# Altium PCB OCP-TimeCardMini-TI_V1.PcbDoc (part 5 of 11)
Units mil, origin at the board's own origin, x right, y up, seen from the top; angles counter-clockwise.
Board outline 5300.46 x 4396.02 mil, 10 copper layers (L01-TOP, L02-GND, L03-SIG, L04-GND, L05-PWR, L06-PWR, L07-GND, L08-SIG, L09-GND, L10-BOT), stack 77.164 mil thick; 832 components, 574 nets, 2904 pads, 1473 vias.
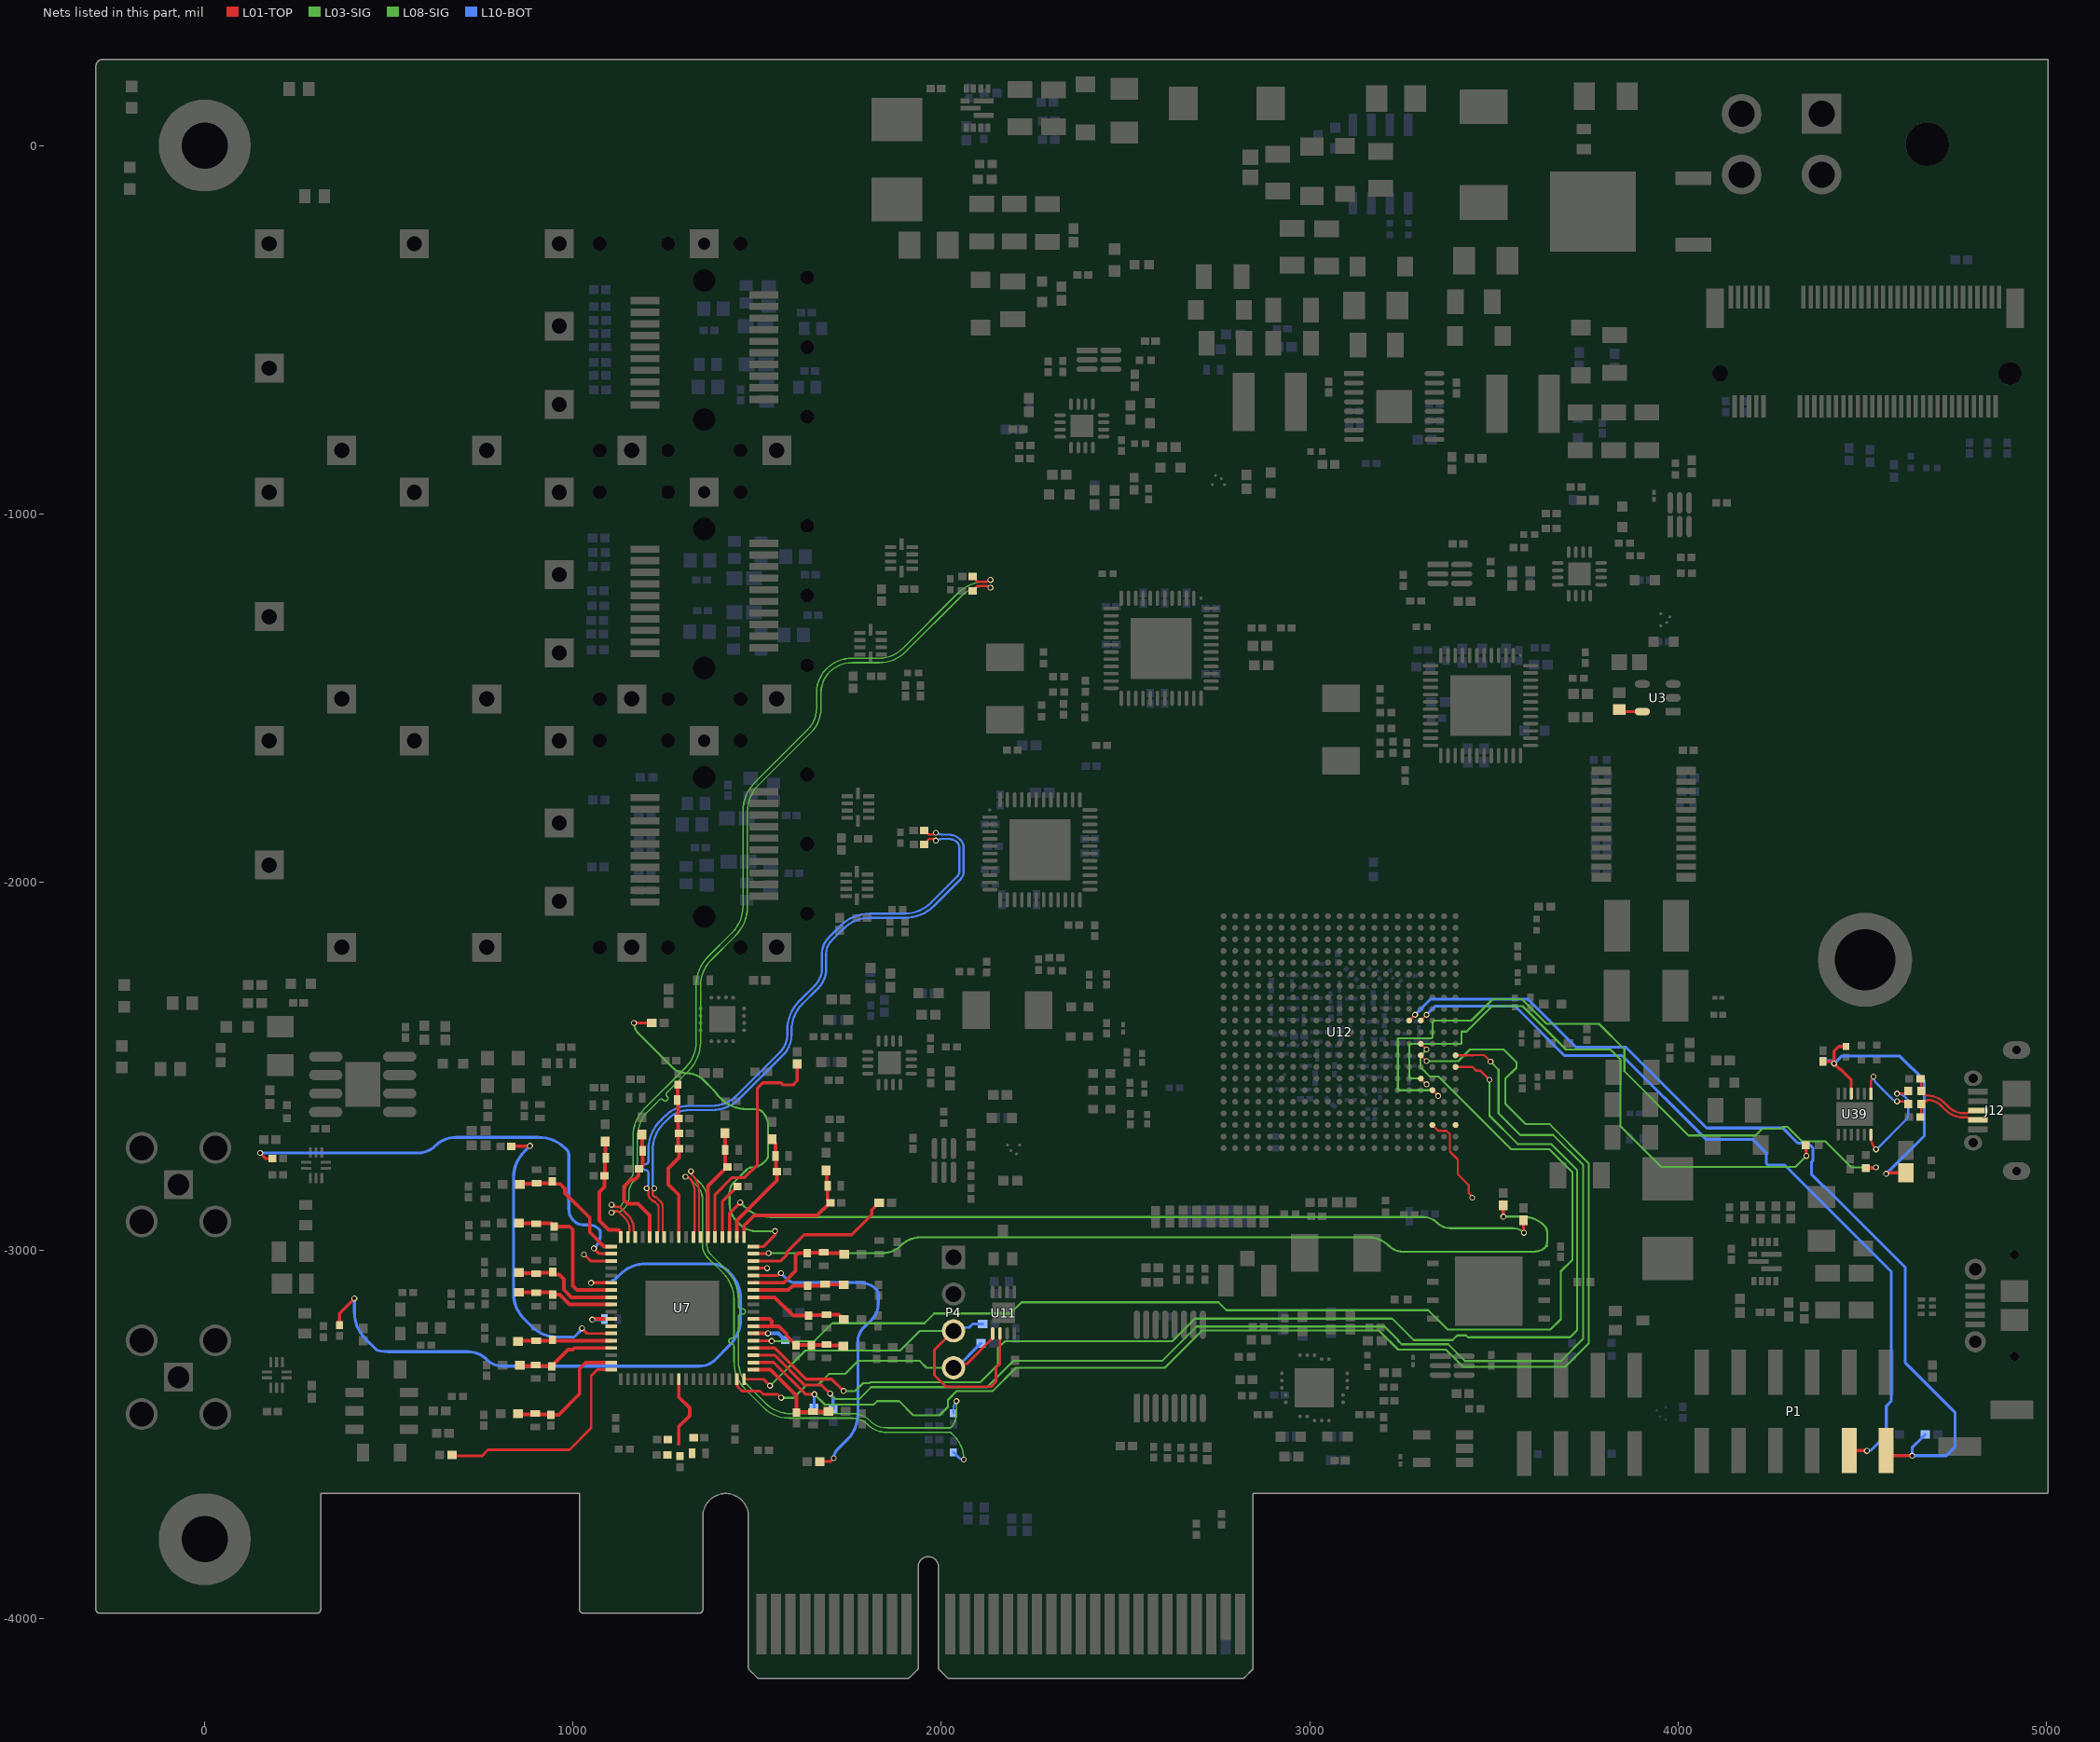
[diagram p13: the nets of this part, all layers, seen from the top]

## Via types
v1: diameter 16, hole 10, L01-TOP to L10-BOT, 1131 vias
v2: diameter 16, hole 10, L01-TOP to L10-BOT, tented both sides, 213 vias
v3: diameter 16, hole 10, L01-TOP to L10-BOT, tented top, 116 vias
v4: diameter 23.62, hole 11.81, L01-TOP to L10-BOT, 9 vias
v5: diameter 25.98, hole 12.99, L01-TOP to L10-BOT, tented top, 4 vias

## Nets (pads, with @x,y where several pads share a name; then routed paths per layer and width w, separated by ;. In a path a pad name is that pad's centre, name@x,y a point inside that pad or via, vN(x,y) a via of type N, cw(c..) or ccw(c..) an arc to the next point about the centre after c; other vN are vias at no path point) (continued)
DPLL_CLKOUT0_P: R112.2 U7.60 | length 1905.4
  L01-TOP w8: R112.2@365.96,-3202.69 365.96,-3170.92 v1(406.32,-3130.57) ; v1(1049.13,-3088.05) 1049.31,-3087.86 1103.7,-3087.86 U7.60@1103.88,-3087.68
  L10-BOT w8: v1(406.32,-3130.57) 406.32,-3168.37 ccw(c506.32,-3168.37) 435.61,-3239.08 466.54,-3270.01 ccw(c497.42,-3174.9) 497.42,-3274.9 714.63,-3274.9 cw(c714.63,-3346.82) 765.49,-3295.97 ccw(c809.62,-3251.83) 809.62,-3314.25 1342.84,-3314.25 ccw(c1342.84,-3252.43) 1386.56,-3296.14 1425.44,-3257.26 ccw(c1354.72,-3186.55) 1454.72,-3186.55 1454.72,-3131.47 ccw(c1354.72,-3131.47) 1425.44,-3060.76 1419.92,-3055.25 ccw(c1374.22,-3100.96) 1374.22,-3036.32 1197.88,-3036.32 ccw(c1197.88,-3136.32) 1127.17,-3065.61 1119.79,-3072.99 cw(c1083.43,-3036.63) 1083.43,-3088.05 v1(1049.13,-3088.05)
DPLL_CLKOUT1_N: U7.57 | length 81.6
  L01-TOP w8: v1(1029.63,-3010.99) 1047.24,-3028.61 U7.57@1103.88,-3028.61
DPLL_CLKOUT1_P: R110.2 U7.56 | length 1278.3
  L01-TOP w8: v1(150.48,-2735.43) 165.78,-2750.73 R110.2@183.78,-2750.73 ; v1(1056.42,-2994.3) 1071.03,-3008.92 U7.56@1103.88,-3008.92
  L10-BOT w8: v1(150.48,-2735.43) 579.29,-2735.43 ccw(c579.29,-2669.39) 625.98,-2716.08 cw(c682.3,-2772.4) 682.3,-2692.76 907.24,-2692.76 cw(c907.24,-2792.76) 977.95,-2722.04 984.25,-2728.35 cw(c974.28,-2738.32) 988.38,-2738.32 988.38,-2887.06 ccw(c1034.77,-2887.06) 1001.97,-2919.86 ccw(c1028.7,-2893.13) 1028.7,-2930.94 1045.41,-2930.94 cw(c1045.41,-2962.16) 1067.49,-2940.08 1073.51,-2946.1 1073.51,-2963.39 cw(c1058.2,-2963.39) 1069.02,-2974.22 cw(c1050.97,-2974.22) 1063.74,-2986.98 v1(1056.42,-2994.3)
DPLL_CLKOUT2_N: C234.1 U7.52 | length 2389.2
  L01-TOP w6: v1(1104.65,-2876.28) cw(c1104.65,-2882.82) 1109.27,-2878.19 1109.74,-2878.66 ccw(c1115.48,-2872.92) 1115.48,-2881.04 1119.24,-2881.04 cw(c1119.24,-2898.24) 1131.4,-2886.08 1148.57,-2903.25 cw(c1109.41,-2942.41) 1164.79,-2942.41 1164.79,-2945.59 ccw(c1171.79,-2945.59) 1166.84,-2950.54 cw(c1161.89,-2955.49) 1168.89,-2955.49 U7.52@1168.89,-2963.59 ; C234.1@2085.3,-1170.64 cw(c2085.3,-1173.91) 2087.62,-1171.6 2092.67,-1176.64 cw(c2090.07,-1179.24) 2093.74,-1179.24 ccw(c2097.42,-1179.24) 2094.82,-1181.84 ccw(c2100.71,-1175.95) 2100.71,-1184.28 2109.02,-1184.28 2109.11,-1184.19 2122.44,-1184.19 ccw(c2122.44,-1176.08) 2128.18,-1181.82 2128.65,-1181.34 cw(c2133.27,-1185.97) v1(2133.27,-1179.44)
  L08-SIG w4: v1(1104.65,-2876.28) cw(c1104.65,-2884.12) 1110.2,-2878.58 1111.68,-2880.06 ccw(c1115.79,-2875.95) 1115.79,-2881.77 1125.49,-2881.77 ccw(c1125.49,-2878.22) 1128,-2880.73 ccw(c1100.02,-2852.75) 1139.59,-2852.75 1139.59,-2844.46 cw(c1199.33,-2844.46) 1157.09,-2802.21 1159.45,-2799.85 ccw(c1151.69,-2792.1) 1162.66,-2792.1 1162.66,-2692.62 cw(c1274.59,-2692.62) 1195.45,-2613.48 1304.77,-2504.16 ccw(c1234.06,-2433.44) 1334.06,-2433.44 1334.06,-2281.33 cw(c1445.98,-2281.33) 1366.84,-2202.18 1432.09,-2136.93 ccw(c1361.38,-2066.22) 1461.38,-2066.22 1461.38,-1807.78 cw(c1573.3,-1807.78) 1494.16,-1728.63 1637.1,-1585.69 ccw(c1578.98,-1527.56) 1661.18,-1527.56 1661.18,-1485.01 cw(c1751.55,-1485.01) 1687.65,-1421.11 1687.74,-1421.01 cw(c1757.43,-1490.69) 1757.43,-1392.15 1831.92,-1392.15 ccw(c1831.92,-1304.76) 1893.71,-1366.55 2043.82,-1216.44 cw(c2122.35,-1294.97) 2122.35,-1183.91 ccw(c2122.38,-1176.27) 2127.78,-1181.68 cw(c2133.18,-1187.08) 2133.18,-1179.44 v1(2133.27,-1179.44)
DPLL_CLKOUT2_P: C235.1 U7.53 | length 2389.3
  L01-TOP w6: v1(1104.65,-2897.28) ccw(c1104.65,-2890.75) 1109.27,-2895.38 1109.74,-2894.91 cw(c1115.48,-2900.65) 1115.48,-2892.53 1116.86,-2892.53 cw(c1116.86,-2903.98) 1124.96,-2895.88 1140.34,-2911.27 cw(c1109.05,-2942.56) 1153.3,-2942.56 1153.3,-2945.59 cw(c1146.3,-2945.59) 1151.25,-2950.54 ccw(c1156.2,-2955.49) 1149.2,-2955.49 U7.53@1149.2,-2963.59 ; C235.1@2084.9,-1209.24 ccw(c2084.9,-1205.96) 2087.22,-1208.28 2092.32,-1203.17 ccw(c2089.87,-1200.72) 2093.34,-1200.72 cw(c2096.81,-1200.72) 2094.36,-1198.26 cw(c2100.39,-1204.3) 2100.39,-1195.77 2113.78,-1195.77 2113.86,-1195.68 2122.44,-1195.68 cw(c2122.44,-1203.8) 2128.18,-1198.06 2128.65,-1198.53 ccw(c2133.27,-1193.91) v1(2133.27,-1200.44)
  L08-SIG w4: v1(1104.65,-2897.28) cw(c1110.2,-2902.83) 1110.2,-2894.99 1112.95,-2894.99 ccw(c1112.95,-2890.97) 1115.79,-2893.81 1125.56,-2893.81 ccw(c1125.56,-2878.37) 1136.48,-2889.29 1136.54,-2889.23 ccw(c1100.09,-2852.77) 1151.64,-2852.77 1151.64,-2844.48 cw(c1199.4,-2844.48) 1165.63,-2810.71 1168.01,-2808.33 ccw(c1151.82,-2792.15) 1174.71,-2792.15 1174.71,-2692.67 cw(c1274.71,-2692.67) 1204,-2621.96 1223.52,-2602.44 1234.84,-2591.12 cw(c1239.79,-2596.07) 1244.74,-2591.12 1245.75,-2592.13 ccw(c1250.7,-2587.18) 1255.65,-2592.13 ccw(c1250.7,-2587.18) 1255.65,-2582.23 1254.64,-2581.22 cw(c1259.59,-2576.27) 1254.64,-2571.32 1280.01,-2545.95 1313.32,-2512.64 ccw(c1234.18,-2433.49) 1346.1,-2433.49 1346.1,-2281.37 cw(c1446.1,-2281.37) 1375.39,-2210.66 1440.64,-2145.42 ccw(c1361.5,-2066.27) 1473.42,-2066.27 1473.42,-1807.82 cw(c1573.42,-1807.82) 1502.71,-1737.11 1645.7,-1594.13 ccw(c1579.24,-1527.67) 1673.23,-1527.67 1673.23,-1485.11 cw(c1751.81,-1485.11) 1696.24,-1429.55 cw(c1757.45,-1490.76) 1757.45,-1404.2 1831.97,-1404.2 ccw(c1831.97,-1304.88) 1902.2,-1375.11 2052.32,-1224.98 cw(c2122.38,-1295.04) 2122.38,-1195.96 cw(c2122.38,-1203.6) 2127.78,-1198.2 ccw(c2133.18,-1192.8) 2133.18,-1200.44 v1(2133.27,-1200.44)
DPLL_CLKOUT3_N: C237.1 U7.48 | length 1709
  L01-TOP w6: v1(1220.77,-2831.68) cw(c1214.24,-2831.68) 1218.87,-2836.29 1218.4,-2836.76 ccw(c1224.14,-2842.5) 1216.02,-2842.5 1216.02,-2844.35 ccw(c1228.58,-2844.35) 1219.7,-2853.23 1220.24,-2853.78 ccw(c1223.32,-2850.7) 1223.32,-2855.05 cw(c1223.32,-2859.4) 1226.39,-2856.32 1236.91,-2866.84 cw(c1220.86,-2882.89) 1243.55,-2882.89 1243.55,-2948.49 1247.65,-2952.59 U7.48@1247.65,-2963.59 ; C237.1@1953.63,-1859.1 cw(c1953.63,-1862.37) 1955.95,-1860.06 1961.68,-1865.79 cw(c1960.72,-1866.74) 1962.07,-1866.74 ccw(c1963.41,-1866.74) 1962.46,-1867.69 C237.1@1963.83,-1869.05 ; C237.1@1963.84,-1869.06 ccw(c1968.07,-1864.81) 1968.07,-1870.81 1973.63,-1870.81 ccw(c1973.63,-1861.11) 1980.49,-1867.97 cw(c1985.11,-1872.59) v1(1985.11,-1866.05)
  L10-BOT w6: v1(1220.77,-2831.68) ccw(c1214.24,-2831.68) 1218.86,-2827.06 cw(c1225.72,-2820.2) 1216.02,-2820.2 1216.02,-2758.95 1216.02,-2726.39 cw(c1316.02,-2726.39) 1217.15,-2711.39 cw(c1316.02,-2726.39) 1245.31,-2655.68 1257.87,-2643.11 cw(c1316.32,-2701.56) 1316.32,-2618.9 1376.67,-2618.9 ccw(c1376.67,-2512.03) 1452.24,-2587.6 1570,-2469.84 ccw(c1513.82,-2413.66) 1593.27,-2413.66 1593.27,-2401.55 cw(c1693.27,-2401.55) 1622.56,-2330.84 1665.06,-2288.34 ccw(c1611.32,-2234.6) 1687.32,-2234.6 1687.32,-2193.95 cw(c1736.57,-2193.95) 1701.74,-2159.13 1734.62,-2126.26 cw(c1805.33,-2196.97) 1805.33,-2096.97 1901,-2096.97 ccw(c1901,-1985.59) 1979.71,-2064.39 ccw(c1901,-1985.59) 1979.76,-2064.34 2051.68,-1992.42 ccw(c2030.88,-1971.61) 2060.3,-1971.61 2060.3,-1905.51 ccw(c2030.9,-1905.51) 2051.69,-1884.72 2051.55,-1884.58 ccw(c2018.71,-1917.43) 2018.71,-1870.98 1997.49,-1870.98 1997.11,-1870.6 ccw(c1990.75,-1876.97) 1990.75,-1867.97 1989.73,-1867.97 cw(c1989.73,-1861.43) v1(1985.11,-1866.05)
DPLL_CLKOUT3_P: C238.1 U7.49 | length 1711.2
  L01-TOP w6: v1(1199.77,-2831.68) ccw(c1206.31,-2831.68) v1@1201.68,-2836.29 ; v1@1201.69,-2836.3 1202.15,-2836.76 cw(c1196.41,-2842.5) 1204.53,-2842.5 1204.53,-2846.73 ccw(c1222.84,-2846.73) 1209.89,-2859.67 1214.21,-2863.99 ccw(c1220.36,-2857.85) 1220.36,-2866.54 1228.74,-2874.93 cw(c1220.73,-2882.94) 1232.06,-2882.94 1232.06,-2948.49 1227.96,-2952.59 U7.49@1227.96,-2963.59 ; C238.1@1953.87,-1897.35 ccw(c1953.87,-1894.08) 1956.19,-1896.39 1961.23,-1891.35 ccw(c1958.63,-1888.75) 1962.31,-1888.75 cw(c1965.99,-1888.75) 1963.39,-1886.15 1964.77,-1884.76 cw(c1970.72,-1890.7) 1970.72,-1882.3 1973.63,-1882.3 cw(c1973.63,-1892) 1980.49,-1885.14 ccw(c1985.11,-1880.52) v1(1985.11,-1887.05)
  L10-BOT w6: v1(1199.77,-2831.68) cw(c1206.31,-2831.68) 1201.69,-2827.06 ccw(c1194.83,-2820.2) 1204.53,-2820.2 1204.53,-2792.76 1204.53,-2789.76 ccw(c1196.53,-2789.76) 1196.53,-2781.76 cw(c1196.53,-2773.76) 1196.53,-2765.76 ccw(c1196.53,-2757.76) 1204.53,-2757.76 1204.53,-2726.34 cw(c1315.91,-2726.34) 1237.15,-2647.59 1249.87,-2634.87 cw(c1316.16,-2701.16) 1316.16,-2607.41 1376.62,-2607.41 ccw(c1376.62,-2511.92) 1444.15,-2579.44 1561.8,-2461.78 ccw(c1513.57,-2413.55) 1581.78,-2413.55 1581.78,-2401.51 cw(c1693.16,-2401.51) 1614.4,-2322.75 1656.84,-2280.32 ccw(c1610.99,-2234.47) 1675.83,-2234.47 1675.83,-2193.91 cw(c1736.46,-2193.91) 1693.59,-2151.04 1726.53,-2118.1 cw(c1805.28,-2196.85) 1805.28,-2085.48 1900.96,-2085.48 ccw(c1900.96,-1985.48) 1971.67,-2056.19 2043.53,-1984.33 ccw(c2030.77,-1971.57) 2048.81,-1971.57 2048.81,-1905.56 ccw(c2030.77,-1905.56) 2043.53,-1892.81 ccw(c2018.57,-1917.77) 2018.57,-1882.47 1997.49,-1882.47 cw(c1991.04,-1876.01) 1991.04,-1885.14 1989.73,-1885.14 ccw(c1989.73,-1891.67) v1(1985.11,-1887.05)
DPLL_CLKOUT4_N: R207.1 U7.44 | length 1534.5
  L01-TOP w6: 1314.04,-2802 cw(c1274.26,-2841.78) 1330.51,-2841.78 1330.51,-2935.68 1330.51,-2948.49 1326.41,-2952.59 U7.44@1326.41,-2963.59
  L03-SIG w4: v1(1305.17,-2799.85) v1(1305.17,-2799.85) ccw(c1310.63,-2794.51) 1310.63,-2802.15 cw(c1310.63,-2809.79) 1316.03,-2804.39 1337.01,-2825.36 ; 1337.02,-2825.38 cw(c1302.37,-2860) 1351.36,-2860 1351.36,-2986.19 ccw(c1398.43,-2986.19) 1365.14,-3019.48 1407.69,-3062.02 cw(c1336.98,-3132.73) 1436.98,-3132.73 1436.98,-3215.85 1436.98,-3231.85 cw(c1429.98,-3231.85) 1429.98,-3238.85 ccw(c1429.98,-3245.85) 1429.98,-3252.85 cw(c1429.98,-3259.85) 1436.98,-3259.85 1436.98,-3299.97 ccw(c1548.96,-3299.97) 1469.77,-3379.15 1518.15,-3427.52 ccw(c1585.2,-3360.47) 1585.2,-3455.3 1759.62,-3455.3 cw(c1759.62,-3509.94) 1798.26,-3471.3 1798.32,-3471.36 ccw(c1852.77,-3416.92) 1852.77,-3493.92 2024.85,-3493.92 2034.33,-3503.4 cw(c1969.94,-3567.8) v1(2061.01,-3567.8)
  L10-BOT w6: R207.1@2032.65,-3547.83 2046.68,-3561.86 ccw(c2061.01,-3547.53) v1(2061.01,-3567.8)
DPLL_CLKOUT4_P: R206.1 U7.43 | length 1534.4
  L01-TOP w6: 1322.28,-2793.99 cw(c1274.66,-2841.61) 1342,-2841.61 1342,-2930.92 1342,-2948.49 1346.1,-2952.59 U7.43@1346.1,-2963.59
  L03-SIG w4: v1(1320.02,-2785.01) 1320.08,-2785.06 cw(c1314.67,-2790.47) 1322.31,-2790.47 ccw(c1329.95,-2790.47) 1324.55,-2795.86 1345.62,-2816.94 cw(c1302.69,-2859.87) 1363.4,-2859.87 1363.4,-2986.14 ccw(c1398.55,-2986.14) 1373.7,-3010.99 1416.27,-3053.57 cw(c1337.21,-3132.63) 1449.02,-3132.63 1449.02,-3149.91 1449.02,-3151.91 ccw(c1456.02,-3151.91) 1456.02,-3158.91 1460.83,-3158.91 cw(c1460.83,-3165.91) 1460.83,-3172.91 1456.02,-3172.91 ccw(c1456.02,-3179.91) 1449.02,-3179.91 1449.02,-3265.2 1449.02,-3299.94 ccw(c1549.02,-3299.94) 1478.31,-3370.65 1521.62,-3413.96 ccw(c1592.33,-3343.25) 1592.33,-3443.25 1759.67,-3443.25 cw(c1759.67,-3509.82) 1806.74,-3462.75 1806.78,-3462.78 ccw(c1852.86,-3416.7) 1852.86,-3481.87 2024.85,-3481.87 ccw(c1985.8,-3442.82) 2041.03,-3442.82 v1(2041.03,-3409.16)
  L10-BOT w6: R206.1@2033.06,-3442.24 2033.06,-3428.38 cw(c2060.24,-3428.38) v1(2041.03,-3409.16)
DPLL_CLKOUT5_N: R213.1 U7.40 | length 154.7
  L01-TOP w8: U7.40@1405.17,-2963.59 1405.12,-2963.54 1405.12,-2867.56 1439.32,-2833.36 1439.32,-2832.37 1445.16,-2826.53 R213.1@1446.14,-2826.53
DPLL_CLKOUT5_P: R237.2 U7.39 | length 2291.7
  L01-TOP w8: U7.39@1424.86,-2963.59 1424.86,-2899 v1(1453.94,-2869.92) ; R237.2@3580.74,-2918.04 3580.74,-2949.1 ccw(c3585.07,-2949.1) v1(3582.01,-2952.16)
  L03-SIG w5.58: v1(1453.94,-2869.92) 1464.17,-2880.16 ccw(c1534.88,-2809.45) 1534.88,-2909.45 3308.44,-2909.45 cw(c3308.44,-2963.22) 3346.46,-2925.2 ccw(c3380.94,-2890.71) 3380.94,-2939.48 3551.39,-2939.48 cw(c3551.39,-2982.78) v1(3582.01,-2952.16)
DPLL_CLKOUT6_N: R240.2 U7.35 | length 2396.2
  L01-TOP w8: U7.35@1489.88,-3008.92 1529.56,-3008.92 v1(1531.1,-3007.38) ; R240.2@3525.32,-2877.67 3525.32,-2907.94 v1(3525.64,-2908.26)
  L03-SIG w5.58: v1(1531.1,-3007.38) 1840.2,-3007.38 ccw(c1840.2,-2936.81) 1890.1,-2986.71 cw(c1943.56,-3040.17) 1943.56,-2964.57 3159.19,-2964.57 cw(c3159.19,-3045.22) 3216.22,-2988.19 ccw(c3253.4,-2951.01) 3253.4,-3003.59 3607,-3003.59 ccw(c3607,-2950.02) 3644.88,-2987.9 ; v1(3525.64,-2908.26) 3577.91,-2908.26 cw(c3577.91,-2991.94) 3637.08,-2932.77 cw(c3618.24,-2951.61) 3644.88,-2951.61 3644.88,-2975.51 cw(c3618.24,-2975.51) 3637.08,-2994.35
DPLL_CLKOUT6_P: R222.1 U7.36 | length 1050.5
  L01-TOP w8: v1(1165.28,-2382.46) 1165.46,-2382.28 R222.1@1213.81,-2382.28 ; U7.36@1489.88,-2989.23 1517.72,-2989.23 1548.17,-2958.78 v1(1548.17,-2947.59)
  L03-SIG w5.58: v1(1165.28,-2382.46) ccw(c1203.74,-2382.46) 1176.53,-2409.64 ; 1176.54,-2409.66 1269.37,-2502.49 ccw(c1308.85,-2463.01) 1308.86,-2518.84 cw(c1308.86,-2583.83) 1354.81,-2537.88 1381.88,-2564.95 ; 1381.88,-2564.95 cw(c1331.84,-2615) 1392.98,-2579.36 1400.74,-2587.11 ccw(c1471.37,-2516.48) 1471.37,-2616.36 1496.69,-2616.36 cw(c1496.69,-2640.53) 1513.78,-2623.44 cw(c1475.16,-2662.07) 1529.78,-2662.07 1529.78,-2739.57 cw(c1505.2,-2739.57) 1522.58,-2756.95 1519.32,-2760.21 cw(c1483.29,-2724.18) 1483.29,-2775.13 ccw(c1483.29,-2790.62) 1472.34,-2779.67 1435.32,-2816.69 ccw(c1460.55,-2841.93) 1424.86,-2841.93 1424.86,-2873.28 ccw(c1492.09,-2873.28) 1444.55,-2920.82 1453.74,-2930.01 ccw(c1496.2,-2887.55) 1496.2,-2947.59 v1(1548.17,-2947.59)
DPLL_CLKOUT7_N: U7.33 | length 36.9
  L01-TOP w8: U7.33@1489.88,-3048.3 1489.98,-3048.2 1526.57,-3048.2 v1(1526.67,-3048.1)
DPLL_CLKOUT7_P: R86.1 U7.32 | length 891.6
  L01-TOP w7.27: R86.1@1669.48,-3573.42 1698.38,-3573.42 v1(1707.79,-3564.01)
  L01-TOP w8: U7.32@1489.88,-3067.99 1555.86,-3067.99 1562.18,-3061.67 v1(1564.34,-3061.67)
  L10-BOT w8: v1(1564.34,-3061.67) 1580.8,-3078.14 ccw(c1602.45,-3056.49) 1602.45,-3087.1 1778.71,-3087.1 cw(c1778.71,-3149.05) 1822.51,-3105.25 cw(c1807.49,-3120.26) 1828.73,-3120.26 1828.73,-3144.18 cw(c1765.42,-3144.18) 1810.18,-3188.94 ; v1(1707.79,-3564.01) cw(c1740.17,-3564.01) 1717.28,-3541.12 1744.11,-3514.28 ccw(c1673.4,-3443.57) 1773.4,-3443.57 1773.4,-3245.4 cw(c1820.89,-3245.4) 1787.31,-3211.82 1810.18,-3188.94
DPLL_CREG_XTAL: C75.1 U7.65 | length 87.1
  L01-TOP w10: v1(1051.98,-3187.97) 1053.82,-3186.13 U7.65@1103.88,-3186.13
  L10-BOT w10: v1(1051.98,-3187.97) 1052.9,-3187.05 1084.75,-3187.05 C75.1@1085.67,-3186.13
DPLL_CS: U7.23 U12.D12 | length 3297.9
  L01-TOP w5.8: U12.D12@3301.69,-2438.81 v2(3317.44,-2454.56)
  L01-TOP w8: U7.23@1489.88,-3245.2 1538.16,-3245.2 v1(1539.18,-3246.22)
  L03-SIG w5.58: v1(1539.18,-3246.22) 1655.35,-3246.22 1703.75,-3197.82 1954.14,-3197.82 1980.53,-3171.44 2187.08,-3171.44 2217.83,-3140.68 2752.38,-3140.68 2774.18,-3162.48 3322.11,-3162.48 3374.7,-3215.08 3653.61,-3215.08 3681.84,-3186.84 3681.84,-3056.89 3713.15,-3025.59 3713.15,-2787.75 3650.49,-2725.09 3547.05,-2725.09 3350.08,-2528.12 3327.13,-2528.12 3300.77,-2501.76 3300.77,-2471.23 v2(3317.44,-2454.56)
DPLL_EEPROM_SCL: P4.3 R75.2 U7.18 U11.6 | length 1187
  L01-TOP w7.27: U7.18@1464.24,-3349.59 1517.31,-3349.59 v1(1535.02,-3367.3) ; P4.3@2033.06,-3218.41 1981.47,-3270.01 1981.47,-3338.78 2012.56,-3369.87 2134.68,-3369.87 2148.37,-3356.18 2148.37,-3318.41 2159.08,-3307.7 U11.6@2159.08,-3225.52
  L03-SIG w5.58: v1(1535.02,-3367.3) 1630.62,-3271.7 1888.05,-3271.7 1941.34,-3218.41 P4.3@2033.06,-3218.41
  L10-BOT w7.27: P4.3@2033.06,-3218.41 2042.28,-3209.19 2075.46,-3209.19 2084.96,-3199.7 R75.2@2112.23,-3199.7
DPLL_EEPROM_SDA: P4.4 R74.2 U7.17 U11.5 | length 923.6
  L01-TOP w7.27: U7.17@1444.55,-3349.59 1445.92,-3350.96 1445.92,-3369.03 1458.41,-3381.52 1507.55,-3381.52 1517.05,-3391.02 1556.03,-3391.02 v1(1565.18,-3400.18) ; P4.4@2033.06,-3318.41 2043.73,-3307.75 2069.4,-3307.75 2139.39,-3237.76 U11.5@2139.39,-3225.52
  L03-SIG w5.58: v1(1565.18,-3400.18) 1598.98,-3400.18 1633.56,-3365.59 1664.54,-3365.59 1694.74,-3335.4 1737.94,-3335.4 1773.4,-3299.94 1941.31,-3299.94 1959.79,-3318.41 P4.4@2033.06,-3318.41
  L10-BOT w7.27: P4.4@2033.06,-3318.41 2041.03,-3318.41 2107.12,-3252.32 R74.2@2108.11,-3252.32
DPLL_FILTER: C74.2 U7.24 | length 93.3
  L01-TOP w10: U7.24@1489.88,-3225.51 v1(1528.95,-3225.51)
  L10-BOT w10: v1(1528.95,-3225.51) 1557.79,-3225.51 1575.18,-3242.9 C74.2@1575.97,-3242.9
DPLL_GPIO8: R71.2 U7.41 | length 638
  L01-TOP w8: U7.41@1385.48,-2963.59 1385.48,-2848.62 1432.1,-2802 1465.93,-2802 1500.65,-2767.28 1500.65,-2559.2 1514.81,-2545.04 1564.69,-2545.04 1570.38,-2550.73 1596.92,-2550.73 1608.61,-2539.05 R71.2@1608.61,-2493.97
DPLL_GPIO9: R70.1 U7.34 | length 419.1
  L01-TOP w8: U7.34@1489.88,-3028.61 1564.05,-3028.61 1579.44,-3013.22 1579.44,-3005.07 1627.34,-2957.17 1756.95,-2957.17 1810.94,-2903.18 1810.94,-2890.1 1830.24,-2870.8 R70.1@1831.22,-2870.8
DPLL_OSCI: C152.2 U7.67 | length 812.5
  L01-TOP w7.27: v1(1024.17,-3211.64) 1038.04,-3225.51 U7.67@1103.88,-3225.51
  L01-TOP w8: C152.2@832.04,-2717.03 882.16,-2717.03 v1(883.1,-2716.08)
  L10-BOT w8: v1(883.1,-2716.08) 867.87,-2731.32 ccw(c938.58,-2802.03) 838.58,-2802.03 838.58,-3116.27 ccw(c938.58,-3116.27) 867.87,-3186.98 886.72,-3205.82 ccw(c957.43,-3135.11) 957.43,-3235.11 1002.98,-3235.11 1022.55,-3215.53 ccw(c1018.65,-3211.64) v1(1024.17,-3211.64)
DPLL_OSCO: U7.66
DPLL_SCLK: R106.2 U7.20 U12.D13 | length 3748.9
  L01-TOP w5.8: U12.D13@3301.69,-2470.31 v2(3317.44,-2486.05)
  L01-TOP w8: U7.20@1489.88,-3304.27 1544.69,-3304.27 1630.92,-3390.5 v1(1655.29,-3390.5)
  L03-SIG w5.58: v1(1655.29,-3390.5) 1683.52,-3418.74 1816.25,-3418.74 1825.83,-3409.16 1885.25,-3409.16 1923.62,-3447.53 1995.06,-3447.53 2017.72,-3424.86 2017.72,-3405.74 2041.94,-3381.52 2139.61,-3381.52 2202.72,-3318.41 2606.72,-3318.41 2707.42,-3217.71 3188.41,-3217.71 3240.19,-3269.49 3369.82,-3269.49 3416.32,-3315.99 3694.06,-3315.99 3757.42,-3252.63 3757.42,-2763.33 3650.61,-2656.51 3585.65,-2656.51 3531.22,-2602.08 3531.22,-2533.64 3561.37,-2503.49 3561.37,-2489.01 3526.92,-2454.56 3435.13,-2454.56 3403.64,-2486.05 v2(3317.44,-2486.05)
  L10-BOT w8: R106.2@1654.14,-3429.38 1654.72,-3428.81 1654.72,-3391.08 v1(1655.29,-3390.5)
DPLL_SDI: U7.22 U12.A14 | length 3369.7
  L01-TOP w5.8: U12.A14@3396.18,-2501.8 3442.53,-2501.8 3453.04,-2512.31 3463.94,-2512.31 v2(3488.27,-2536.65)
  L01-TOP w8: U7.22@1489.88,-3264.89 1548.17,-3264.89 1632.87,-3349.59 1702.49,-3349.59 v1(1734.42,-3381.52)
  L03-SIG w5.58: v1(1734.42,-3381.52) 1766.26,-3381.52 1787.31,-3360.47 1804.88,-3360.47 1807.55,-3357.81 2105.93,-3357.81 2153.8,-3309.94 2153.8,-3265.2 2172.56,-3246.44 2627.09,-3246.44 2688.25,-3185.28 3224.03,-3185.28 3282.28,-3243.53 3387.87,-3243.53 3400.83,-3230.56 3424.32,-3230.56 3429.62,-3235.87 3707.01,-3235.87 3726.04,-3216.84 3726.04,-2781.62 3655.36,-2710.94 3564.96,-2710.94 3488.27,-2634.25 v2(3488.27,-2536.65)
DPLL_SDIO: R107.2 U7.21 U12.A13 | length 3505.2
  L01-TOP w5.8: U12.A13@3396.18,-2470.31 3443.79,-2470.31 3444.43,-2469.66 3473.57,-2469.66 v2(3491.22,-2487.31)
  L01-TOP w8: U7.21@1489.88,-3284.58 1547.87,-3284.58 1628.89,-3365.59 1674.96,-3365.59 v1(1698.01,-3388.65)
  L03-SIG w5.58: v1(1698.01,-3388.65) 1713.04,-3403.67 1776.64,-3403.67 1809.38,-3370.93 2124.14,-3370.93 2195.1,-3299.97 2599.38,-3299.97 2692.67,-3206.68 3203.31,-3206.68 3240.19,-3243.57 3240.19,-3245.37 3249.59,-3254.76 3376.43,-3254.76 3421.73,-3300.06 3682.28,-3300.06 3742.57,-3239.77 3742.57,-2767.89 3661.21,-2686.52 3571.73,-2686.52 3513.1,-2627.88 3513.1,-2509.19 v2(3491.22,-2487.31)
  L10-BOT w8: v1(1698.01,-3388.65) 1698.01,-3390.81 1705.99,-3398.79 R107.2@1705.99,-3430.66
DPLL_VDD_CLKA: C134.1 C135.1 L15.2 U7.71 | length 353.9
  L01-TOP w10: L15.2@850.48,-3443.66 851.84,-3445.01 937.9,-3445.01 C135.1@939.26,-3446.37 961.21,-3446.37 1017.54,-3390.04 1017.54,-3320.81 1034.09,-3304.27 U7.71@1103.88,-3304.27
DPLL_VDD_CLKB: C120.1 C121.1 L11.2 U7.19 | length 279.2
  L01-TOP w10: U7.19@1489.88,-3323.96 1535.84,-3323.96 1606.95,-3395.07 C121.1@1606.95,-3440.57 1608.61,-3438.92 1649.6,-3438.92 C120.1@1651.26,-3437.26 1651.3,-3437.21 1692.66,-3437.21 L11.2@1692.7,-3437.16
DPLL_VDD_DCO_Q0123: C102.1 C103.1 L6.2 U7.62 | length 299.9
  L01-TOP w10: L6.2@852.61,-3059.97 853.84,-3061.2 898.79,-3061.2 C102.1@900.02,-3062.43 901.93,-3060.52 943.49,-3060.52 C103.1@945.4,-3058.61 945.4,-3059.97 950.48,-3065.05 962.7,-3065.05 975.47,-3077.81 975.47,-3106.68 995.85,-3127.06 U7.62@1103.88,-3127.06
DPLL_VDD_DCO_Q4567: C113.1 C114.1 L9.2 U7.30 | length 251.8
  L01-TOP w10: U7.30@1489.88,-3107.37 1584.3,-3107.37 1596.09,-3095.57 C114.1@1637,-3095.57 1675.82,-3095.57 1679.9,-3091.49 C113.1@1684.33,-3091.49 1685.18,-3092.34 1733.57,-3092.34 L9.2@1734.42,-3093.18
DPLL_VDD_DIA_A: C77.1 C78.1 L3.2 U7.63 | length 264.9
  L01-TOP w10: L3.2@853.51,-3113.47 940.09,-3113.47 945.4,-3118.78 C78.1@945.4,-3120.13 963.24,-3120.13 989.85,-3146.75 U7.63@1103.88,-3146.75
DPLL_VDD_DIA_B: C92.1 C93.1 L4.2 U7.29 | length 272.4
  L01-TOP w10: U7.29@1489.88,-3127.06 1547.31,-3127.06 1597.67,-3177.42 C93.1@1640.04,-3177.42 1641.31,-3176.15 1687.24,-3176.15 C92.1@1688.51,-3174.88 1721.8,-3174.88 1733.86,-3186.94 L4.2@1735.33,-3186.94
DPLL_VDD_DIG: C79.1 C80.1 C81.1 C82.1 R79.2 U7.9 | length 199.2
  L01-TOP w10: 1286.89,-3524.48 1287.03,-3524.48 1287.03,-3477.75 1316.28,-3448.51 1316.28,-3427.39 1287.03,-3398.15 U7.9@1287.03,-3349.59
DPLL_VDD_GPIO: C95.1 C96.1 C97.1 C98.1 R80.2 U7.46 | length 439.7
  L01-TOP w10: R80.2@1284.79,-2549.87 1283.93,-2550.73 1283.93,-2590.84 C95.1@1283.08,-2591.7 1285.2,-2593.83 1285.2,-2721.76 C98.1@1287.33,-2723.88 1287.33,-2748.39 1258.82,-2776.9 1258.82,-2820.92 1287.03,-2849.13 U7.46@1287.03,-2963.59
DPLL_VDDA_BG_LC: C83.1 C84.1 C85.1 L2.2 U7.25 U7.26 | length 337.8
  L01-TOP w10: U7.25@1489.88,-3205.82 1538.16,-3205.82 ; U7.26@1489.88,-3186.13 1533.32,-3186.13 1539.18,-3191.99 1539.18,-3204.79 1538.16,-3205.82 ; L2.2@1733.53,-3259.89 1731.25,-3257.61 1690.79,-3257.61 C83.1@1688.51,-3255.32 1687.04,-3256.8 1606.81,-3256.8 C85.1@1605.34,-3258.27 1605.34,-3256.92 1579.44,-3231.02 1579.44,-3226.64 1558.62,-3205.82 1538.16,-3205.82
DPLL_VDDA_FB: C125.1 C126.1 L13.2 U7.69 | length 271.2
  L01-TOP w10: L13.2@855.66,-3311.7 857.36,-3313.4 940.54,-3313.4 C126.1@942.24,-3315.1 942.24,-3313.74 987.1,-3268.88 998.99,-3268.88 1002.98,-3264.89 U7.69@1103.88,-3264.89
DPLL_VDDA_PDCP_XTAL: C99.1 C100.1 L5.2 U7.68 | length 256.4
  L01-TOP w10: L5.2@850.48,-3246.92 852.74,-3244.66 941.96,-3244.66 C100.1@944.22,-3242.41 947.01,-3245.2 U7.68@1103.88,-3245.2
DPLL_VDDO_Q0: C111.1 C112.1 L8.2 U7.61 | length 415.3
  L01-TOP w10: L8.2@853.51,-2926.1 940.99,-2926.1 948.19,-2933.31 C112.1@948.19,-2934.66 990.13,-2934.66 998.99,-2943.52 998.99,-3095.57 1010.78,-3107.37 U7.61@1103.88,-3107.37
DPLL_VDDO_Q1: C127.1 C128.1 L12.2 U7.55 | length 355
  L01-TOP w10: L12.2@855.5,-2820.59 856.96,-2819.13 899.51,-2819.13 C127.1@900.97,-2817.67 901.39,-2817.25 939.18,-2817.25 C128.1@943.37,-2813.06 943.37,-2814.42 948.45,-2819.5 965.15,-2819.5 977.83,-2832.18 977.83,-2843.69 1045.41,-2911.27 1045.41,-2950.6 1084.03,-2989.23 U7.55@1103.88,-2989.23
DPLL_VDDO_Q2: C139.1 C140.1 L16.2 U7.54 | length 306.5
  L01-TOP w10: L16.2@1087.13,-2704.56 1087.95,-2705.38 1087.95,-2748.01 C139.1@1088.76,-2748.83 1086.85,-2750.73 1086.85,-2794.82 C140.1@1084.95,-2796.73 1084.95,-2827.84 1071.51,-2841.27 1071.51,-2918.67 1097.06,-2944.22 1123.66,-2944.22 1129.51,-2950.08 U7.54@1129.51,-2963.59
DPLL_VDDO_Q3: C148.1 C149.1 L18.2 U7.50 | length 351.5
  L01-TOP w10: L18.2@1187.55,-2685.64 1188.05,-2686.14 1188.05,-2728.48 C148.1@1188.55,-2728.98 1188.55,-2768.9 1185.39,-2772.06 1185.39,-2773.42 1180.31,-2778.5 C149.1@1178.95,-2778.5 1177.77,-2779.68 1177.77,-2797.72 1167.56,-2807.93 1157.12,-2807.93 1138.73,-2826.32 1138.73,-2863.74 1148.09,-2873.1 1176.67,-2873.1 1208.27,-2904.71 U7.50@1208.27,-2963.59
DPLL_VDDO_Q4: C106.1 C107.1 L7.2 U7.42 | length 307.9
  L01-TOP w10: U7.42@1365.79,-2963.59 1365.79,-2825.33 1384.82,-2806.3 1384.97,-2806.3 1417.65,-2773.62 C107.1@1418.22,-2773.62 ; L7.2@1412.43,-2681.02 1412.78,-2681.38 1412.78,-2726.93 C106.1@1413.14,-2727.28 1413.14,-2768.54 C107.1@1418.22,-2773.62 ; C107.1@1419.01,-2773.62 C107.1@1418.22,-2773.62
DPLL_VDDO_Q5: C118.1 C119.1 L10.2 U7.38 | length 315.2
  L01-TOP w10: U7.38@1444.55,-2963.59 1444.55,-2918.56 1553.04,-2810.07 C119.1@1553.04,-2786.25 1551.13,-2784.34 1551.13,-2745.57 C118.1@1549.22,-2743.66 1549.22,-2708.32 1540.76,-2699.86 L10.2@1540.76,-2698.38
DPLL_VDDO_Q6: C132.1 C133.1 L14.2 U7.37 | length 383.4
  L01-TOP w10: U7.37@1464.24,-2963.59 1464.24,-2932.86 1492.09,-2905.02 1662.61,-2905.02 C133.1@1697.44,-2870.18 ; L14.2@1687.15,-2782.31 1688.95,-2784.11 1688.95,-2822.7 C132.1@1690.74,-2824.5 1690.74,-2862.13 1692.36,-2863.74 1692.36,-2865.1 C133.1@1697.44,-2870.18 ; C133.1@1698.8,-2870.18 C133.1@1697.44,-2870.18
DPLL_VDDO_Q7: C143.1 C144.1 L17.2 U7.31 | length 306.9
  L01-TOP w10: U7.31@1489.88,-3087.68 1571.95,-3087.68 1604.55,-3055.08 1604.55,-3014.14 1611.44,-3007.25 C144.1@1635.11,-3007.25 1636.4,-3005.96 1679.85,-3005.96 C143.1@1681.14,-3004.67 1684.21,-3007.74 1732.8,-3007.74 L17.2@1735.87,-3010.81
DPLL_XO: R81.1 U7.72 | length 613
  L01-TOP w7.27: R81.1@671.52,-3555.36 673.56,-3557.4 753.15,-3557.4 769.32,-3541.23 990.13,-3541.23 1049.31,-3482.05 1049.31,-3340.12 1065.48,-3323.96 U7.72@1103.88,-3323.96
EMU0: P1.9 R67.2 U12.D10 | length 2179
  L01-TOP w5.8: U12.D10@3301.69,-2375.82 v2(3317.44,-2360.07)
  L01-TOP w8: P1.9@4464.96,-3543.31 4511.73,-3543.31 v1(4512.67,-3544.25)
  L10-BOT w8: v2(3317.44,-2360.07) 3340.79,-2336.72 3557.61,-2336.72 3691.66,-2470.77 3847.85,-2470.77 4075.47,-2698.39 4202.63,-2698.39 4239.96,-2735.72 4239.96,-2763.9 4244.65,-2768.59 4290.4,-2768.59 4578.54,-3056.73 4578.54,-3409.6 4565.54,-3422.6 4565.54,-3497.4 R67.2@4567.91,-3499.78 4566.93,-3499.78 4523.99,-3542.72 4514.2,-3542.72 v1(4512.67,-3544.25)
EMU1: P1.11 R68.2 U12.E10 | length 2539.1
  L01-TOP w5.8: U12.E10@3270.19,-2375.82 v2(3285.94,-2360.07)
  L01-TOP w8: P1.11@4564.96,-3543.31 4578.94,-3557.28 v1(4635.68,-3557.28)
  L10-BOT w8: v2(3285.94,-2360.07) 3328.2,-2317.81 3592.61,-2317.81 3722.76,-2447.95 3858.12,-2447.95 4077.87,-2667.71 4284.31,-2667.71 4325.34,-2708.74 4353.64,-2708.74 4366.04,-2721.15 4366.04,-2756.12 4362.92,-2759.25 4362.92,-2794.22 4394.41,-2825.7 4396.75,-2825.7 4616.48,-3045.43 4616.48,-3303.82 4751.97,-3439.31 4751.97,-3534.14 4728.82,-3557.28 v1(4635.68,-3557.28) 4635.68,-3535.77 4662.88,-3508.57 4662.88,-3507.59 4670.69,-3499.78 R68.2@4671.68,-3499.78
EXT_EEPROM_WP: R20.1 U3.5 | length 65.1
  L01-TOP w8: R20.1@3840.45,-1531.08 3846.24,-1536.86 U3.5@3903.14,-1536.86
EXT_REFCLK1: U12.A19
EXTINTN: U12.C19 | length 255.4
  L01-TOP w5.8: U12.C19@3333.19,-2659.28 3348.93,-2675.03 3371.21,-2675.03 3380.43,-2684.25 3380.43,-2731.53 3402.22,-2753.31 3402.22,-2793.1 3432.22,-2823.1 3432.22,-2844.9 3441.22,-2853.9 v2(3441.22,-2856.9)
FTDI_RX: R246.2 U12.C16 | length 1917.6
  L01-TOP w5.8: U12.C16@3333.19,-2564.79 v2(3348.93,-2580.54)
  L01-TOP w8: R246.2@4510.26,-2776.35 4535.66,-2776.35 v1(4537.37,-2774.64)
  L03-SIG w5.58: v2(3348.93,-2580.54) 3333.68,-2565.29 3239.38,-2565.29 3239.38,-2424.23 3330.53,-2424.23 3333.79,-2420.96 3333.79,-2379.34 3337.06,-2376.07 3426.68,-2376.07 3438.89,-2376.07 3497.15,-2317.81 3576.32,-2317.81 3643.54,-2385.04 3698.04,-2385.04 3698.49,-2384.58 3711.58,-2384.58 3712.03,-2385.04 3785.78,-2385.04 3854.32,-2453.58 3854.32,-2513.45 4028.71,-2687.84 4210.78,-2687.84 4229.21,-2669.41 4280.3,-2669.41 4285.39,-2664.31 4297.14,-2664.31 4336.42,-2703.59 4399.96,-2703.59 4471.01,-2774.64 v1(4537.37,-2774.64)
FTDI_TX: R245.2 U12.D15 | length 1638.7
  L01-TOP w5.8: U12.D15@3301.69,-2533.3 v2(3317.44,-2549.05)
  L01-TOP w8: R245.2@4347.24,-2714.42 4348.01,-2715.19 4348.01,-2742.61 v1(4348.78,-2743.38)
  L03-SIG w5.58: v2(3317.44,-2549.05) 3301.57,-2533.18 3270.5,-2533.18 3270.5,-2439.04 3411.93,-2439.04 3411.93,-2405.42 3426.18,-2405.42 3494.88,-2336.72 3578.07,-2336.72 3695.91,-2454.56 3816.66,-2454.56 3843.74,-2481.64 3843.74,-2662.25 3954.56,-2773.08 4319.08,-2773.08 v1(4348.78,-2743.38)
FTDI_USB_N: R247.2 U39.1 | length 176.1
  L01-TOP w6: U39.1@4523.6,-2574.13 4523.6,-2545.03 cw(c4547.89,-2545.03) v1(4530.72,-2527.85) ; v1(4594.73,-2595.21) 4607.44,-2595.21 cw(c4607.44,-2619.83) R247.2@4624.85,-2602.42
  L10-BOT w6: v1(4530.72,-2527.85) ccw(c4553.8,-2527.85) 4537.48,-2544.18 4584.1,-2590.81 ccw(c4594.73,-2580.18) v1(4594.73,-2595.21)
FTDI_USB_P: R248.2 U39.12 | length 281.5
  L01-TOP w6: U39.12@4523.6,-2685.59 4523.6,-2691.43 ccw(c4571.86,-2691.43) v1(4537.74,-2725.56) ; v1(4594.73,-2574.21) 4607.84,-2574.21 ccw(c4607.84,-2549.58) R248.2@4625.26,-2566.99
  L10-BOT w6: v1(4537.74,-2725.56) ccw(c4537.74,-2723.19) 4539.42,-2724.86 4616.19,-2648.09 ccw(c4595.28,-2627.18) 4624.85,-2627.18 4624.85,-2591.59 4616.48,-2583.21 ccw(c4594.73,-2604.96) v1(4594.73,-2574.21)
FTDI_USB_R_N: C461.2 J12.2 R247.1 | length 210
  L01-TOP w6: C461.2@4657.93,-2637.85 ccw(c4652.22,-2632.15) 4660.29,-2632.15 R247.1@4660.29,-2602.42 ccw(c4660.29,-2587.39) 4670.91,-2598.02 4677.63,-2591.29 cw(c4677.63,-2642.87) 4714.11,-2606.4 4726.19,-2618.48 ccw(c4774.93,-2569.74) 4774.93,-2638.67 4783.24,-2638.67 cw(c4783.24,-2650.71) 4791.75,-2642.2 ccw(c4800.26,-2633.69) 4800.26,-2645.72 J12.2@4813.98,-2645.72
FTDI_USB_R_P: C460.2 J12.3 R248.1 | length 208.3
  L01-TOP w6: C460.2@4658.68,-2533.76 cw(c4653.84,-2538.6) 4660.69,-2538.6 R248.1@4660.69,-2566.99 4670.57,-2576.88 ccw(c4677.63,-2569.82) 4677.63,-2579.8 4677.76,-2579.8 cw(c4677.76,-2642.57) 4722.14,-2598.19 4734.25,-2610.29 ccw(c4775.03,-2569.51) 4775.03,-2627.18 4783.24,-2627.18 ccw(c4783.24,-2615.15) 4791.75,-2623.66 cw(c4800.26,-2632.17) 4800.26,-2620.13 J12.3@4813.98,-2620.13
FTDI_VBUS: C458.1 C459.1 FB10.2 R249.2 U39.4 | length 871.7
  L01-TOP w8: C458.1@4393.5,-2487.01 4415.93,-2487.01 4421.71,-2492.79 v1(4423.87,-2492.79) ; R249.2@4455.83,-2445.97 4436.13,-2445.97 4423.87,-2458.23 v1(4423.87,-2492.79) ; U39.4@4470.45,-2574.13 4470.45,-2536.86 4441.82,-2508.23 4439.31,-2508.23 v1(4423.87,-2492.79) ; v1(4565.54,-2791.8) 4568.16,-2789.19 FB10.2@4619.18,-2789.19
  L10-BOT w8: C459.1@4393.5,-2484.57 4414.81,-2484.57 4423.03,-2492.79 v1(4423.87,-2492.79) 4444.15,-2472.51 4602.65,-2472.51 4668.95,-2538.81 4668.95,-2688.4 v1(4565.54,-2791.8)